# KiCad board relay_panel_2x2.kicad_pcb (continued)
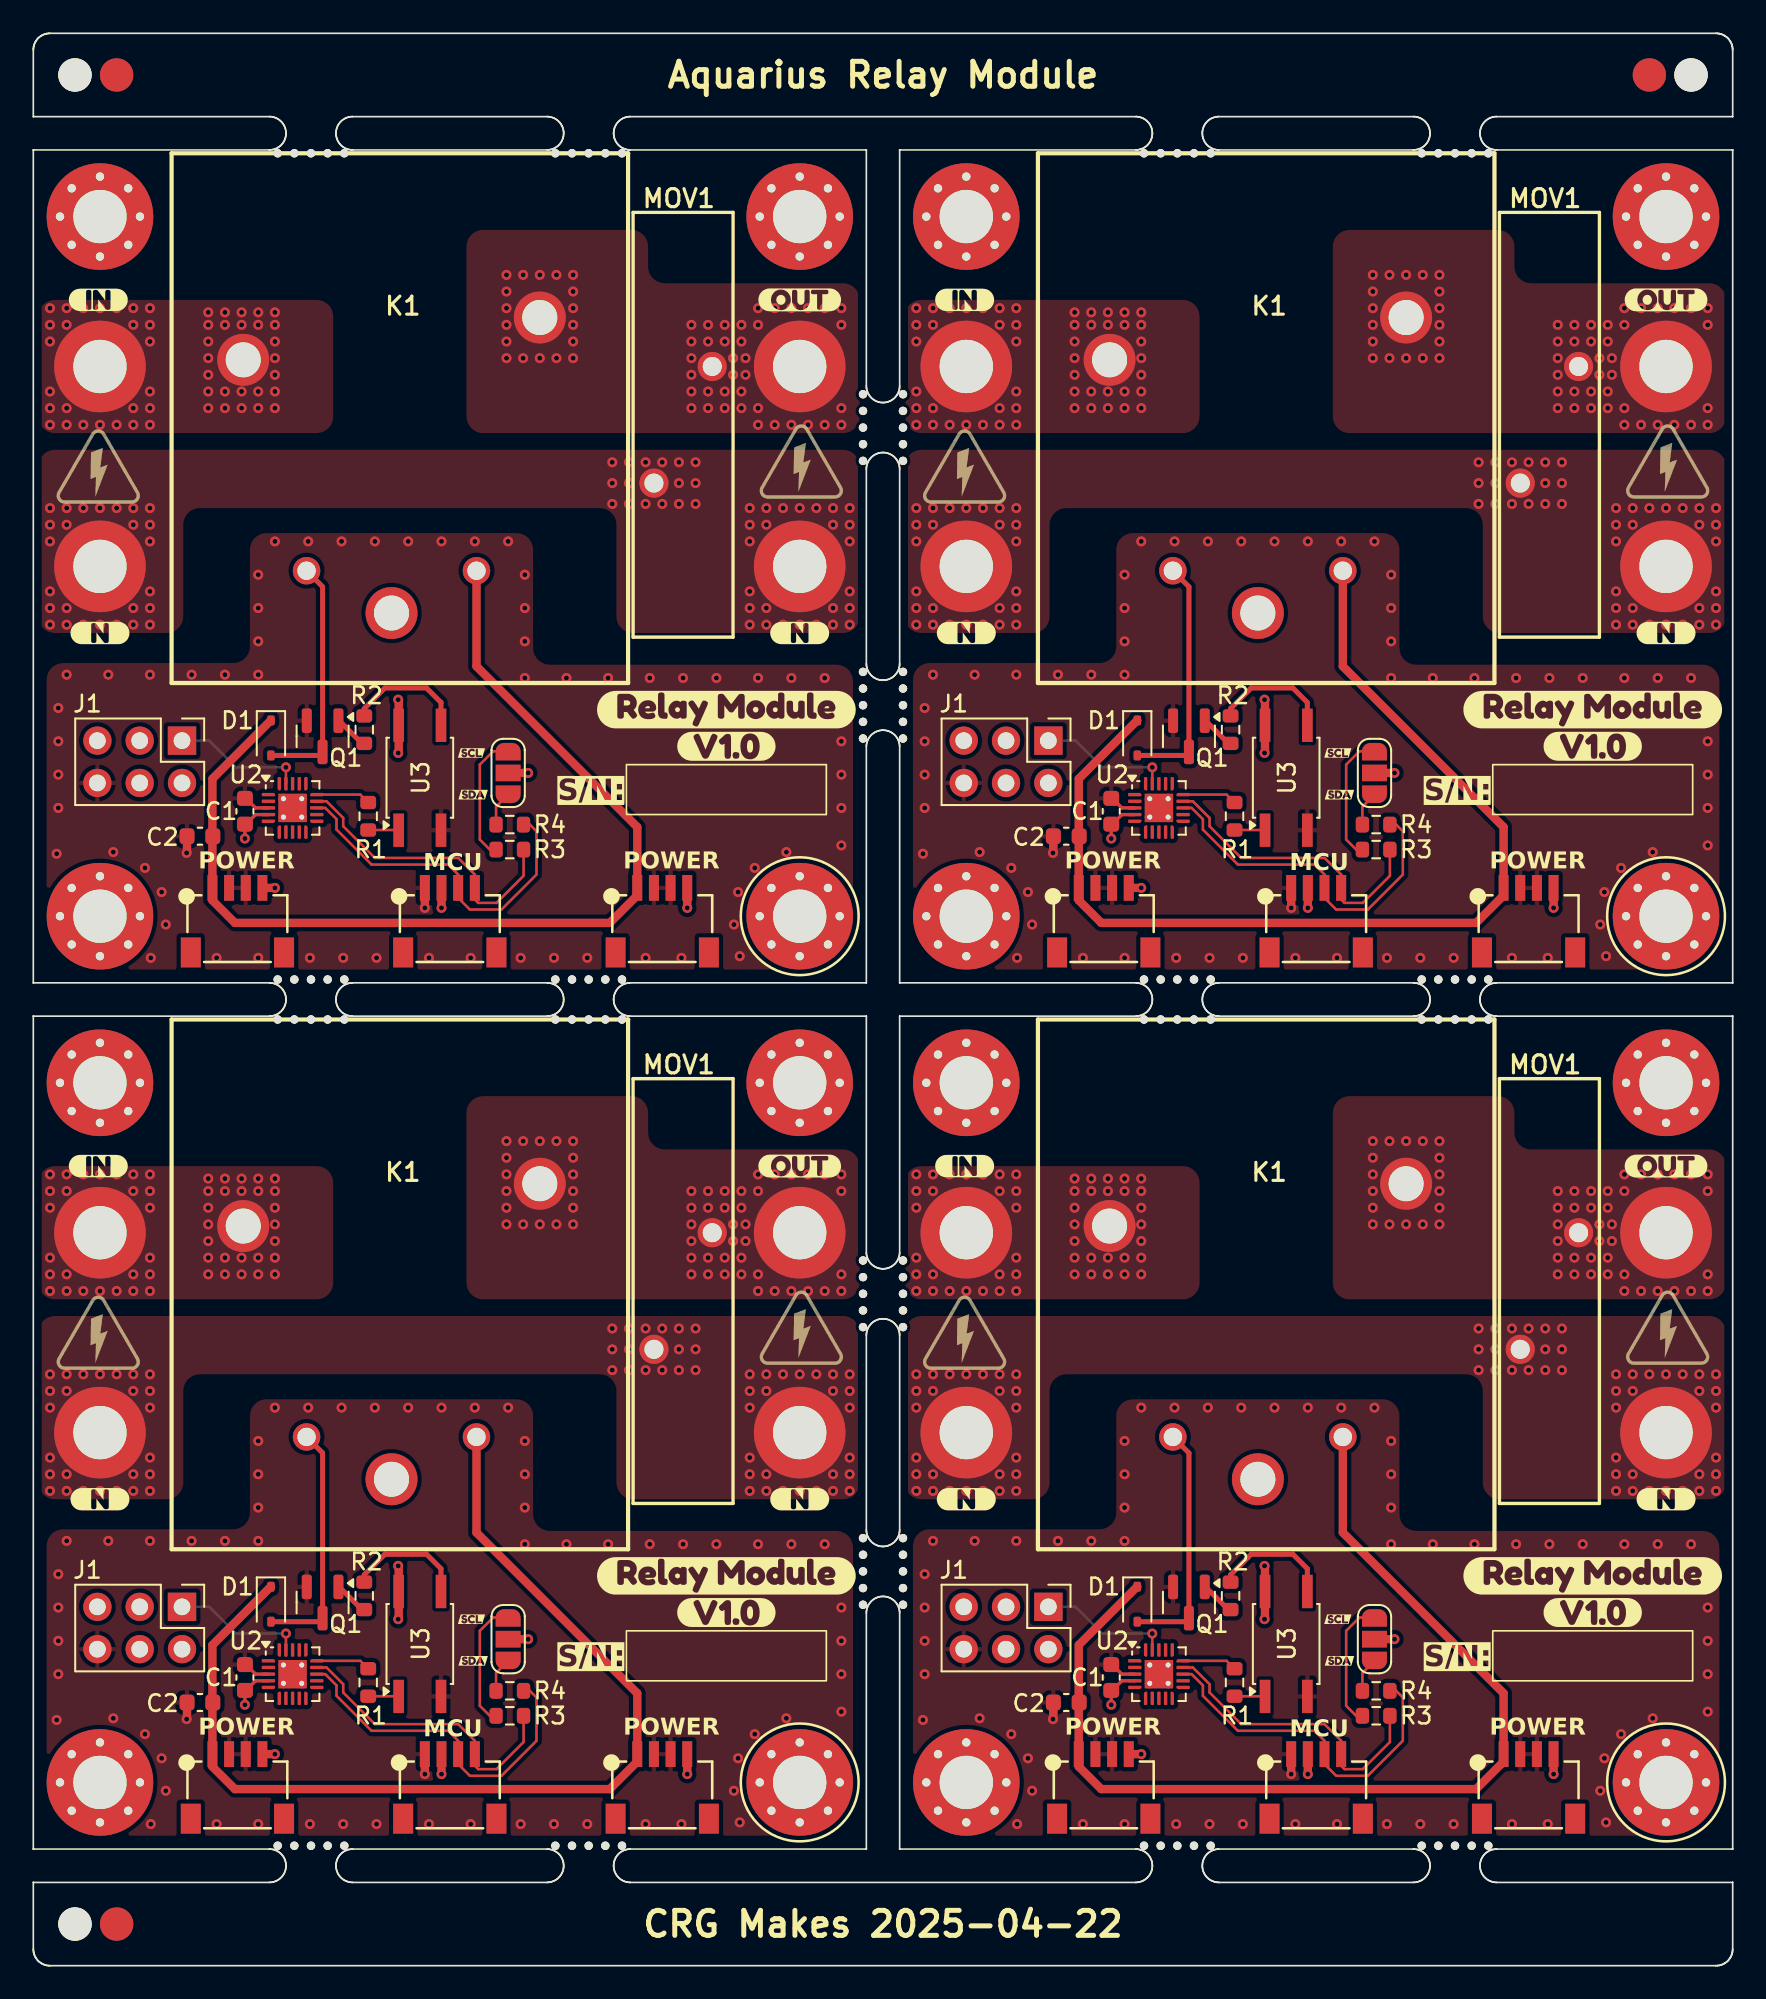
[diagram p0: board, top side]
## Routing (per net, layer and track width the routed paths; a pad name or vN(x,y) marks a point on that pad's centre or on a via; arc(x,y) is an arc through that point) (continued)
Board_1-/LOAD_OUT:
  vias: v1(80.4,101.5) v1(80.4,100.5) v1(80.4,99.5) v1(80.4,98.5) v1(80.4,97.5) v1(80.4,96.5) v1(81.4,101.5) v1(81.4,96.5) v1(82.4,101.5) v1(82.4,96.5) v1(83.4,101.5) v1(83.4,96.5) v1(84.4,101.5) v1(84.4,100.5) v1(84.4,99.5) v1(84.4,98.5) v1(84.4,97.5) v1(84.4,96.5) v1(91.5,98.5) v1(91.5,97.5) v1(91.5,96.5) v1(91.5,95.5) v1(91.5,94.5) v1(91.5,93.5) v1(92.5,98.5) v1(92.5,97.5) v1(92.5,94.5) v1(92.5,93.5) v1(93.5,98.5) v1(93.5,97.5) v1(93.5,94.5) v1(93.5,93.5) v1(94,96.5) v1(94,95.5) v1(94.5,98.5) v1(94.5,97.5) v1(94.5,94.5) v1(94.5,93.5) v1(94.75,96.5) v1(94.75,95.5) v1(95.5,99.5) v1(95.5,98.5) v1(95.5,93.5) v1(95.5,92.5) v1(96.5,99.5) v1(96.5,92.5) v1(97.5,99.5) v1(97.5,92.5) v1(98.5,99.5) v1(98.5,92.5) v1(99.5,99.5) v1(99.5,92.5) v1(100.5,99.5) v1(100.5,98.5) v1(100.5,93.5) v1(100.5,92.5)
Board_1-/NEUTRAL:
  vias: v1(53,87.5) v1(53,86.5) v1(53,85.5) v1(53,82.5) v1(53,81.5) v1(53,80.5) v1(54,87.5) v1(54,86.5) v1(54,81.5) v1(54,80.5) v1(55,87.5) v1(55,80.5) v1(56,87.5) v1(56,80.5) v1(57,87.5) v1(57,80.5) v1(58,87.5) v1(58,86.5) v1(58,81.5) v1(58,80.5) v1(59,87.5) v1(59,86.5) v1(59,85.5) v1(59,82.5) v1(59,81.5) v1(59,80.5) v1(86.75,90.25) v1(86.75,89) v1(86.75,87.75) v1(87.75,90.25) v1(87.75,89) v1(87.75,87.75) v1(88.75,90.25) v1(88.75,87.75) v1(89.75,90.25) v1(89.75,87.75) v1(90.75,90.25) v1(90.75,89) v1(90.75,87.75) v1(91.75,90.25) v1(91.75,89) v1(91.75,87.75) v1(95,87.5) v1(95,86.5) v1(95,85.5) v1(95,82.5) v1(95,81.5) v1(95,80.5) v1(96,87.5) v1(96,86.5) v1(96,81.5) v1(96,80.5) v1(97,87.5) v1(97,80.5) v1(98,87.5) v1(98,80.5) v1(99,87.5) v1(99,80.5) v1(100,87.5) v1(100,86.5) v1(100,81.5) v1(100,80.5) v1(101,87.5) v1(101,86.5) v1(101,85.5) v1(101,82.5) v1(101,81.5) v1(101,80.5)
Board_1-/RELAY_CONTROL: length 14.5
  Top w0.3: D1#2.2 69.15,72.65 Q1#4.3 69.36,82.78 K1#2.A2
Board_1-/SCL: length 18.4
  Top w0.152: U2#3.14 69.6,69.9 70.6,68.9 70.6,68.4 72.5,66.5 77.5,66.5 78.5,65.5 78.5,64 78.7,63.8 79.8,63.8 81.43,65.43 R3.1
Board_1-/SDA: length 21.3
  Top w0.152: U2#3.13 69.53,69.5 70.2,68.83 70.2,68.2 72.3,66.1 76.9,66.1 77.5,65.5 77.5,64.1 78.2,63.4 80.1,63.4 82.2,65.5 82.2,68.1 81.8,68.5 R4#4.1
Board_1-GND: length 4
  Top w0.2: C1.2 64.76,70.08 65.34,69.5 U2#3.3
  Top w0.5: 75.5,64.75 v1(75.5,63.5) ; C2#2.2 61.22,66.83 v1(61.2,66.8) ; 89.2,64.7 89.25,64.75
  vias: v1(53.4,66.75) v1(53.5,75.5) v1(53.5,73.5) v1(53.5,71.5) v1(53.5,69.5) v1(54,77.5) v1(56.5,77.5) v1(56.8,66.85) v1(58.7,65.9) v1(59,77.5) v1(59.05,60.5) v1(59.7,64.45) v1(59.95,62.5) v1(61.5,77.5) v1(63,60.5) v1(63.5,77.5) v1(65.5,83.5) v1(65.5,81.5) v1(65.5,79.5) v1(65.5,77.5) v1(65.5,60.5) v1(66.5,85.5) v1(68.5,85.5) v1(68.6,60.5) v1(70.5,85.5) v1(70.6,60.5) v1(72.5,85.5) v1(72.6,60.5) v1(74.5,85.5) v1(75.75,60.5) v1(76.5,85.5) v1(78.25,60.5) v1(78.5,85.5) v1(80.5,85.5) v1(81.25,60.5) v1(81.5,83.5) v1(81.5,81.5) v1(81.5,79.5) v1(81.5,77.3) v1(83.25,60.5) v1(84,77.3) v1(85.25,60.5) v1(86.5,77.3) v1(88.75,60.5) v1(89,77.3) v1(90.9,60.5) v1(91,77.3) v1(93,77.3) v1(94.05,62.5) v1(94.3,64.45) v1(94.4,60.6) v1(95.3,65.9) v1(95.5,77.3) v1(97.2,66.85) v1(97.5,77.3) v1(99.5,77.3) v1(100.5,75.5) v1(100.5,73.5) v1(100.5,71.5) v1(100.5,69.5) v1(100.5,67.25)
Board_1-Net-(JP1-A): length 7.8
  Top w0.152: JP1#3.1 79.6,72.9 78.8,72.1 78.8,67.6 79.4,67 R3.2
Board_1-Net-(JP1-B): length 2.1
  Top w0.152: JP1#3.3 79.78,69.58 R4#4.2
Board_1-Net-(Q1-B): length 2.1
  Top w0.152: 71.72,73.38 R2#3.2 ; Q1#4.1 70.36,74.74
  Top w0.3: 70.36,74.74 71.72,73.38
Board_1-Net-(R1-Pad2): length 1.8
  Top w0.152: U3#2.1 73.92,68.18 R1#2.2
Board_1-Net-(R2-Pad1): length 7.3
  Top w0.3: R2#3.1 71.86,75.46 73.1,76.7 75.6,76.7 76.47,75.83 U3#2.3
Board_1-RELAY_CTRL: length 3.3
  Top w0.152: U2#3.15 71.62,70.3 R1#2.1
Board_1-UPDI: length 7.9
  Top w0.152: v1(67.16,71.94) U2#3.19
  Bottom w0.152: J1#4.1 62.56,73.54 64.16,71.94 67.16,71.94 v1(67.16,71.94)
Board_2-+3.3V: length 10.2
  Top w0.2: v1(12.7,15.66) C1#3.1 12.76,16.53 13.34,17.1 U2.4
  Top w0.5: JP1.2 v1(29.7,19.6) ; v1(14.5,12.7) 13.8,12.7 13.75,12.75 ; 24.5,12.75 v1(24.5,11.5) ; v1(39.25,11.5) 39.25,12.75 ; v1(21.9,24) 21.93,23.97 U3.4 21.93,20.83 v1(21.9,20.8)
Board_2-+5V: length 62.5
  Top w0.5: K1#4.A1 26.6,26 36.25,16.35 36.25,12.25 34.6,10.6 12.1,10.6 10.75,11.95 10.75,19.25 14.25,22.75 D1#3.1
Board_2-/LOAD_IN:
  vias: v1(1,47.5) v1(1,46.5) v1(1,45.5) v1(1,42.5) v1(1,41.5) v1(1,40.5) v1(2,47.5) v1(2,46.5) v1(2,41.5) v1(2,40.5) v1(3,47.5) v1(3,40.5) v1(4,47.5) v1(4,40.5) v1(5,47.5) v1(5,40.5) v1(6,47.5) v1(6,46.5) v1(6,41.5) v1(6,40.5) v1(7,47.5) v1(7,46.5) v1(7,45.5) v1(7,42.5) v1(7,41.5) v1(7,40.5) v1(10.5,47.25) v1(10.5,46.5) v1(10.5,45.5) v1(10.5,44.5) v1(10.5,43.5) v1(10.5,42.5) v1(10.5,41.5) v1(11.5,47.25) v1(11.5,46.5) v1(11.5,42.5) v1(11.5,41.5) v1(12.5,47.25) v1(12.5,46.5) v1(12.5,42.5) v1(12.5,41.5) v1(13.5,47.25) v1(13.5,46.5) v1(13.5,42.5) v1(13.5,41.5) v1(14.5,47.25) v1(14.5,46.5) v1(14.5,45.5) v1(14.5,44.5) v1(14.5,43.5) v1(14.5,42.5) v1(14.5,41.5)
Board_2-/LOAD_OUT:
  vias: v1(28.4,49.5) v1(28.4,48.5) v1(28.4,47.5) v1(28.4,46.5) v1(28.4,45.5) v1(28.4,44.5) v1(29.4,49.5) v1(29.4,44.5) v1(30.4,49.5) v1(30.4,44.5) v1(31.4,49.5) v1(31.4,44.5) v1(32.4,49.5) v1(32.4,48.5) v1(32.4,47.5) v1(32.4,46.5) v1(32.4,45.5) v1(32.4,44.5) v1(39.5,46.5) v1(39.5,45.5) v1(39.5,44.5) v1(39.5,43.5) v1(39.5,42.5) v1(39.5,41.5) v1(40.5,46.5) v1(40.5,45.5) v1(40.5,42.5) v1(40.5,41.5) v1(41.5,46.5) v1(41.5,45.5) v1(41.5,42.5) v1(41.5,41.5) v1(42,44.5) v1(42,43.5) v1(42.5,46.5) v1(42.5,45.5) v1(42.5,42.5) v1(42.5,41.5) v1(42.75,44.5) v1(42.75,43.5) v1(43.5,47.5) v1(43.5,46.5) v1(43.5,41.5) v1(43.5,40.5) v1(44.5,47.5) v1(44.5,40.5) v1(45.5,47.5) v1(45.5,40.5) v1(46.5,47.5) v1(46.5,40.5) v1(47.5,47.5) v1(47.5,40.5) v1(48.5,47.5) v1(48.5,46.5) v1(48.5,41.5) v1(48.5,40.5)
Board_2-/NEUTRAL:
  vias: v1(1,35.5) v1(1,34.5) v1(1,33.5) v1(1,30.5) v1(1,29.5) v1(1,28.5) v1(2,35.5) v1(2,34.5) v1(2,29.5) v1(2,28.5) v1(3,35.5) v1(3,28.5) v1(4,35.5) v1(4,28.5) v1(5,35.5) v1(5,28.5) v1(6,35.5) v1(6,34.5) v1(6,29.5) v1(6,28.5) v1(7,35.5) v1(7,34.5) v1(7,33.5) v1(7,30.5) v1(7,29.5) v1(7,28.5) v1(34.75,38.25) v1(34.75,37) v1(34.75,35.75) v1(35.75,38.25) v1(35.75,37) v1(35.75,35.75) v1(36.75,38.25) v1(36.75,35.75) v1(37.75,38.25) v1(37.75,35.75) v1(38.75,38.25) v1(38.75,37) v1(38.75,35.75) v1(39.75,38.25) v1(39.75,37) v1(39.75,35.75) v1(43,35.5) v1(43,34.5) v1(43,33.5) v1(43,30.5) v1(43,29.5) v1(43,28.5) v1(44,35.5) v1(44,34.5) v1(44,29.5) v1(44,28.5) v1(45,35.5) v1(45,28.5) v1(46,35.5) v1(46,28.5) v1(47,35.5) v1(47,28.5) v1(48,35.5) v1(48,34.5) v1(48,29.5) v1(48,28.5) v1(49,35.5) v1(49,34.5) v1(49,33.5) v1(49,30.5) v1(49,29.5) v1(49,28.5)
Board_2-/RELAY_CONTROL: length 14.5
  Top w0.3: D1#3.2 17.15,20.65 Q1#2.3 17.36,30.78 K1#4.A2
Board_2-/SCL: length 18.4
  Top w0.152: U2.14 17.6,17.9 18.6,16.9 18.6,16.4 20.5,14.5 25.5,14.5 26.5,13.5 26.5,12 26.7,11.8 27.8,11.8 29.42,13.43 R3#4.1
Board_2-/SDA: length 21.3
  Top w0.152: U2.13 17.53,17.5 18.2,16.83 18.2,16.2 20.3,14.1 24.9,14.1 25.5,13.5 25.5,12.1 26.2,11.4 28.1,11.4 30.2,13.5 30.2,16.1 29.8,16.5 R4#3.1
Board_2-GND: length 4
  Top w0.2: U2.3 13.34,17.5 12.76,18.08 C1#3.2
  Top w0.5: 23.5,12.75 v1(23.5,11.5) ; C2#4.2 9.22,14.83 v1(9.2,14.8) ; 37.2,12.7 37.25,12.75
  vias: v1(1.4,14.75) v1(1.5,23.5) v1(1.5,21.5) v1(1.5,19.5) v1(1.5,17.5) v1(2,25.5) v1(4.5,25.5) v1(4.8,14.85) v1(6.7,13.9) v1(7,25.5) v1(7.05,8.5) v1(7.7,12.45) v1(7.95,10.5) v1(9.5,25.5) v1(11,8.5) v1(11.5,25.5) v1(13.5,31.5) v1(13.5,29.5) v1(13.5,27.5) v1(13.5,25.5) v1(13.5,8.5) v1(14.5,33.5) v1(16.5,33.5) v1(16.6,8.5) v1(18.5,33.5) v1(18.6,8.5) v1(20.5,33.5) v1(20.6,8.5) v1(22.5,33.5) v1(23.75,8.5) v1(24.5,33.5) v1(26.25,8.5) v1(26.5,33.5) v1(28.5,33.5) v1(29.25,8.5) v1(29.5,31.5) v1(29.5,29.5) v1(29.5,27.5) v1(29.5,25.3) v1(31.25,8.5) v1(32,25.3) v1(33.25,8.5) v1(34.5,25.3) v1(36.75,8.5) v1(37,25.3) v1(38.9,8.5) v1(39,25.3) v1(41,25.3) v1(42.05,10.5) v1(42.3,12.45) v1(42.4,8.6) v1(43.3,13.9) v1(43.5,25.3) v1(45.2,14.85) v1(45.5,25.3) v1(47.5,25.3) v1(48.5,23.5) v1(48.5,21.5) v1(48.5,19.5) v1(48.5,17.5) v1(48.5,15.25)
Board_2-Net-(JP1-A): length 7.8
  Top w0.152: JP1.1 27.6,20.9 26.8,20.1 26.8,15.6 27.4,15 27.78,15
Board_2-Net-(JP1-B): length 2.1
  Top w0.152: JP1.3 27.78,17.58 27.78,16.5
Board_2-Net-(Q1-B): length 2.1
  Top w0.152: Q1#2.1 18.36,22.74 ; 19.72,21.38 R2.2
  Top w0.3: 18.36,22.74 19.72,21.38
Board_2-Net-(R1-Pad2): length 1.8
  Top w0.152: R1#3.2 21.92,16.18 U3.1
Board_2-Net-(R2-Pad1): length 7.3
  Top w0.3: R2.1 19.86,23.46 21.1,24.7 23.6,24.7 24.47,23.83 U3.3
Board_2-RELAY_CTRL: length 3.3
  Top w0.152: R1#3.1 19.62,18.3 U2.15
Board_2-UPDI: length 7.9
  Top w0.152: v1(15.16,19.94) U2.19
  Bottom w0.152: v1(15.16,19.94) 15.16,19.94 12.16,19.94 10.56,21.54 J1.1
Board_3-+3.3V: length 10.2
  Top w0.2: v1(64.7,15.66) C1#4.1 64.76,16.53 65.34,17.1 U2#2.4
  Top w0.5: v1(66.5,12.7) 65.8,12.7 65.75,12.75 ; JP1#4.2 v1(81.7,19.6) ; 76.5,12.75 v1(76.5,11.5) ; v1(73.9,20.8) 73.93,20.83 U3#3.4 73.93,23.97 v1(73.9,24) ; v1(91.25,11.5) 91.25,12.75
Board_3-+5V: length 62.5
  Top w0.5: D1.1 66.25,22.75 62.75,19.25 62.75,11.95 64.1,10.6 86.6,10.6 88.25,12.25 88.25,16.35 78.6,26 K1.A1
Board_3-/LOAD_IN:
  vias: v1(53,47.5) v1(53,46.5) v1(53,45.5) v1(53,42.5) v1(53,41.5) v1(53,40.5) v1(54,47.5) v1(54,46.5) v1(54,41.5) v1(54,40.5) v1(55,47.5) v1(55,40.5) v1(56,47.5) v1(56,40.5) v1(57,47.5) v1(57,40.5) v1(58,47.5) v1(58,46.5) v1(58,41.5) v1(58,40.5) v1(59,47.5) v1(59,46.5) v1(59,45.5) v1(59,42.5) v1(59,41.5) v1(59,40.5) v1(62.5,47.25) v1(62.5,46.5) v1(62.5,45.5) v1(62.5,44.5) v1(62.5,43.5) v1(62.5,42.5) v1(62.5,41.5) v1(63.5,47.25) v1(63.5,46.5) v1(63.5,42.5) v1(63.5,41.5) v1(64.5,47.25) v1(64.5,46.5) v1(64.5,42.5) v1(64.5,41.5) v1(65.5,47.25) v1(65.5,46.5) v1(65.5,42.5) v1(65.5,41.5) v1(66.5,47.25) v1(66.5,46.5) v1(66.5,45.5) v1(66.5,44.5) v1(66.5,43.5) v1(66.5,42.5) v1(66.5,41.5)
Board_3-/LOAD_OUT:
  vias: v1(80.4,49.5) v1(80.4,48.5) v1(80.4,47.5) v1(80.4,46.5) v1(80.4,45.5) v1(80.4,44.5) v1(81.4,49.5) v1(81.4,44.5) v1(82.4,49.5) v1(82.4,44.5) v1(83.4,49.5) v1(83.4,44.5) v1(84.4,49.5) v1(84.4,48.5) v1(84.4,47.5) v1(84.4,46.5) v1(84.4,45.5) v1(84.4,44.5) v1(91.5,46.5) v1(91.5,45.5) v1(91.5,44.5) v1(91.5,43.5) v1(91.5,42.5) v1(91.5,41.5) v1(92.5,46.5) v1(92.5,45.5) v1(92.5,42.5) v1(92.5,41.5) v1(93.5,46.5) v1(93.5,45.5) v1(93.5,42.5) v1(93.5,41.5) v1(94,44.5) v1(94,43.5) v1(94.5,46.5) v1(94.5,45.5) v1(94.5,42.5) v1(94.5,41.5) v1(94.75,44.5) v1(94.75,43.5) v1(95.5,47.5) v1(95.5,46.5) v1(95.5,41.5) v1(95.5,40.5) v1(96.5,47.5) v1(96.5,40.5) v1(97.5,47.5) v1(97.5,40.5) v1(98.5,47.5) v1(98.5,40.5) v1(99.5,47.5) v1(99.5,40.5) v1(100.5,47.5) v1(100.5,46.5) v1(100.5,41.5) v1(100.5,40.5)
Board_3-/NEUTRAL:
  vias: v1(53,35.5) v1(53,34.5) v1(53,33.5) v1(53,30.5) v1(53,29.5) v1(53,28.5) v1(54,35.5) v1(54,34.5) v1(54,29.5) v1(54,28.5) v1(55,35.5) v1(55,28.5) v1(56,35.5) v1(56,28.5) v1(57,35.5) v1(57,28.5) v1(58,35.5) v1(58,34.5) v1(58,29.5) v1(58,28.5) v1(59,35.5) v1(59,34.5) v1(59,33.5) v1(59,30.5) v1(59,29.5) v1(59,28.5) v1(86.75,38.25) v1(86.75,37) v1(86.75,35.75) v1(87.75,38.25) v1(87.75,37) v1(87.75,35.75) v1(88.75,38.25) v1(88.75,35.75) v1(89.75,38.25) v1(89.75,35.75) v1(90.75,38.25) v1(90.75,37) v1(90.75,35.75) v1(91.75,38.25) v1(91.75,37) v1(91.75,35.75) v1(95,35.5) v1(95,34.5) v1(95,33.5) v1(95,30.5) v1(95,29.5) v1(95,28.5) v1(96,35.5) v1(96,34.5) v1(96,29.5) v1(96,28.5) v1(97,35.5) v1(97,28.5) v1(98,35.5) v1(98,28.5) v1(99,35.5) v1(99,28.5) v1(100,35.5) v1(100,34.5) v1(100,29.5) v1(100,28.5) v1(101,35.5) v1(101,34.5) v1(101,33.5) v1(101,30.5) v1(101,29.5) v1(101,28.5)
Board_3-/RELAY_CONTROL: length 14.5
  Top w0.3: K1.A2 69.36,30.78 Q1.3 69.15,20.65 D1.2
Board_3-/SCL: length 18.4
  Top w0.152: R3#3.1 81.43,13.43 79.8,11.8 78.7,11.8 78.5,12 78.5,13.5 77.5,14.5 72.5,14.5 70.6,16.4 70.6,16.9 69.6,17.9 U2#2.14
Board_3-/SDA: length 21.3
  Top w0.152: R4.1 81.8,16.5 82.2,16.1 82.2,13.5 80.1,11.4 78.2,11.4 77.5,12.1 77.5,13.5 76.9,14.1 72.3,14.1 70.2,16.2 70.2,16.83 69.53,17.5 U2#2.13
Board_3-GND: length 4
  Top w0.2: U2#2.3 65.34,17.5 64.76,18.08 C1#4.2
  Top w0.5: C2.2 61.22,14.83 v1(61.2,14.8) ; 75.5,12.75 v1(75.5,11.5) ; 89.2,12.7 89.25,12.75
  vias: v1(53.4,14.75) v1(53.5,23.5) v1(53.5,21.5) v1(53.5,19.5) v1(53.5,17.5) v1(54,25.5) v1(56.5,25.5) v1(56.8,14.85) v1(58.7,13.9) v1(59,25.5) v1(59.05,8.5) v1(59.7,12.45) v1(59.95,10.5) v1(61.5,25.5) v1(63,8.5) v1(63.5,25.5) v1(65.5,31.5) v1(65.5,29.5) v1(65.5,27.5) v1(65.5,25.5) v1(65.5,8.5) v1(66.5,33.5) v1(68.5,33.5) v1(68.6,8.5) v1(70.5,33.5) v1(70.6,8.5) v1(72.5,33.5) v1(72.6,8.5) v1(74.5,33.5) v1(75.75,8.5) v1(76.5,33.5) v1(78.25,8.5) v1(78.5,33.5) v1(80.5,33.5) v1(81.25,8.5) v1(81.5,31.5) v1(81.5,29.5) v1(81.5,27.5) v1(81.5,25.3) v1(83.25,8.5) v1(84,25.3) v1(85.25,8.5) v1(86.5,25.3) v1(88.75,8.5) v1(89,25.3) v1(90.9,8.5) v1(91,25.3) v1(93,25.3) v1(94.05,10.5) v1(94.3,12.45) v1(94.4,8.6) v1(95.3,13.9) v1(95.5,25.3) v1(97.2,14.85) v1(97.5,25.3) v1(99.5,25.3) v1(100.5,23.5) v1(100.5,21.5) v1(100.5,19.5) v1(100.5,17.5) v1(100.5,15.25)
Board_3-Net-(JP1-A): length 7.8
  Top w0.152: R3#3.2 79.4,15 78.8,15.6 78.8,20.1 79.6,20.9 JP1#4.1
Board_3-Net-(JP1-B): length 2.1
  Top w0.152: R4.2 79.78,17.58 JP1#4.3
Board_3-Net-(Q1-B): length 2.1
  Top w0.152: Q1.1 70.36,22.74 ; 71.72,21.38 R2#2.2
  Top w0.3: 70.36,22.74 71.72,21.38
Board_3-Net-(R1-Pad2): length 1.8
  Top w0.152: R1#4.2 73.92,16.18 U3#3.1
Board_3-Net-(R2-Pad1): length 7.3
  Top w0.3: R2#2.1 71.86,23.46 73.1,24.7 75.6,24.7 76.47,23.83 U3#3.3
Board_3-RELAY_CTRL: length 3.3
  Top w0.152: R1#4.1 71.62,18.3 U2#2.15
Board_3-UPDI: length 7.9
  Top w0.152: v1(67.16,19.94) U2#2.19
  Bottom w0.152: J1#3.1 62.56,21.54 64.16,19.94 67.16,19.94 v1(67.16,19.94)

## Copper pours and planes (outline as drawn; the poured copper is in the pictures)
Board_0-+3.3V on In1.Cu: 30,78.1 30,86 13,86 13,78.2 0.8,78.2 0.8,59.8 49.2,59.8 49.2,78.1
Board_0-/LOAD_IN on Top, Bottom, In1.Cu, In2.Cu: 18,100 18,92 0.3,92 0.3,100
Board_0-/LOAD_OUT on Top, Bottom, In1.Cu, In2.Cu: 36.9,101 36.9,104.2 26,104.2 26,92 49.6,92 49.6,101
Board_0-/NEUTRAL on Top, Bottom, In1.Cu, In2.Cu: 0.3,80 9,80 9,87.5 35,87.5 35,80 49.6,80 49.6,91 0.3,91
Board_0-GND on Top, Bottom: 30,78.1 30,86 13,86 13,78.2 0.8,78.2 0.8,59.8 49.2,59.8 49.2,78.1
Board_0-GND on In2.Cu: 0.8,78.2 13,78.2 13,86 30,86 30,78.1 49.2,78.1 49.2,59.8 0.8,59.8
Board_1-+3.3V on In1.Cu: 82,78.1 82,86 65,86 65,78.2 52.8,78.2 52.8,59.8 101.2,59.8 101.2,78.1
Board_1-/LOAD_IN on Top, Bottom, In1.Cu, In2.Cu: 70,100 70,92 52.3,92 52.3,100
Board_1-/LOAD_OUT on Top, Bottom, In1.Cu, In2.Cu: 88.9,101 88.9,104.2 78,104.2 78,92 101.6,92 101.6,101
Board_1-/NEUTRAL on Top, Bottom, In1.Cu, In2.Cu: 52.3,80 61,80 61,87.5 87,87.5 87,80 101.6,80 101.6,91 52.3,91
Board_1-GND on Top, Bottom: 82,78.1 82,86 65,86 65,78.2 52.8,78.2 52.8,59.8 101.2,59.8 101.2,78.1
Board_1-GND on In2.Cu: 52.8,78.2 65,78.2 65,86 82,86 82,78.1 101.2,78.1 101.2,59.8 52.8,59.8
Board_2-+3.3V on In1.Cu: 30,26.1 30,34 13,34 13,26.2 0.8,26.2 0.8,7.8 49.2,7.8 49.2,26.1
Board_2-/LOAD_IN on Top, Bottom, In1.Cu, In2.Cu: 18,48 18,40 0.3,40 0.3,48
Board_2-/LOAD_OUT on Top, Bottom, In1.Cu, In2.Cu: 36.9,49 36.9,52.2 26,52.2 26,40 49.6,40 49.6,49
Board_2-/NEUTRAL on Top, Bottom, In1.Cu, In2.Cu: 0.3,28 9,28 9,35.5 35,35.5 35,28 49.6,28 49.6,39 0.3,39
Board_2-GND on Top, Bottom: 30,26.1 30,34 13,34 13,26.2 0.8,26.2 0.8,7.8 49.2,7.8 49.2,26.1
Board_2-GND on In2.Cu: 0.8,26.2 13,26.2 13,34 30,34 30,26.1 49.2,26.1 49.2,7.8 0.8,7.8
Board_3-+3.3V on In1.Cu: 82,26.1 82,34 65,34 65,26.2 52.8,26.2 52.8,7.8 101.2,7.8 101.2,26.1
Board_3-/LOAD_IN on Top, Bottom, In1.Cu, In2.Cu: 70,48 70,40 52.3,40 52.3,48
Board_3-/LOAD_OUT on Top, Bottom, In1.Cu, In2.Cu: 88.9,49 88.9,52.2 78,52.2 78,40 101.6,40 101.6,49
Board_3-/NEUTRAL on Top, Bottom, In1.Cu, In2.Cu: 52.3,28 61,28 61,35.5 87,35.5 87,28 101.6,28 101.6,39 52.3,39
Board_3-GND on Top, Bottom: 82,26.1 82,34 65,34 65,26.2 52.8,26.2 52.8,7.8 101.2,7.8 101.2,26.1
Board_3-GND on In2.Cu: 52.8,26.2 65,26.2 65,34 82,34 82,26.1 101.2,26.1 101.2,7.8 52.8,7.8

## Text on the board
B.Silkscreen: Aquarius | FNWW
F.Silkscreen: Aquarius Relay Module | CRG Makes 2025-04-22 | POWER | MCU | S/N:
